# Altium PCB Qilin.PcbDoc
Units mm, origin at the board's own origin, x right, y up, seen from the top; angles counter-clockwise.
Board outline 25.13 x 22.14 mm, 4 copper layers (Top Layer, Gnd, Power, Bottom Layer), stack 0.85 mm thick; 29 components, 54 nets, 203 pads, 112 vias.
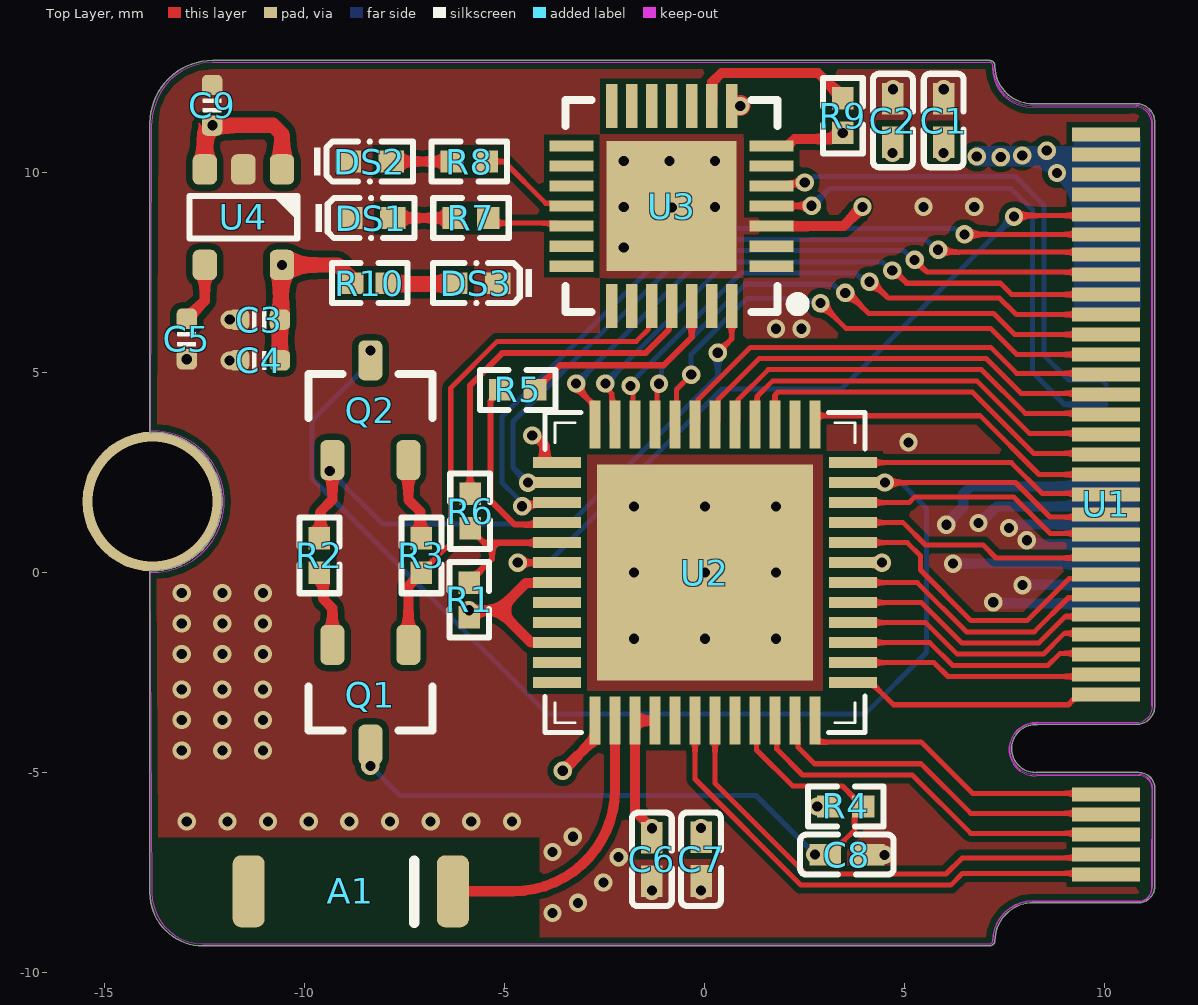
[diagram p0: Top Layer view]
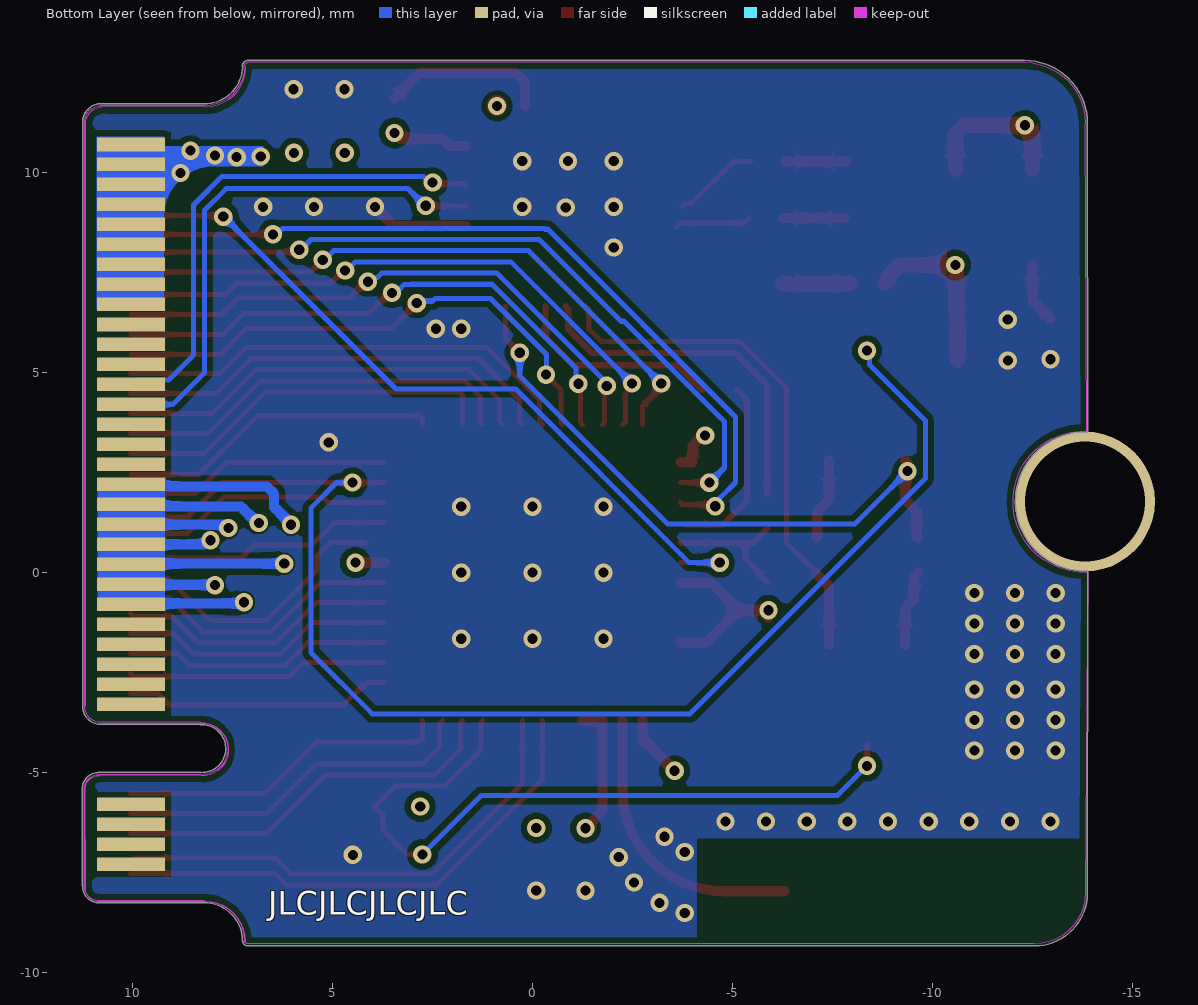
[diagram p1: Bottom Layer view, seen from below]
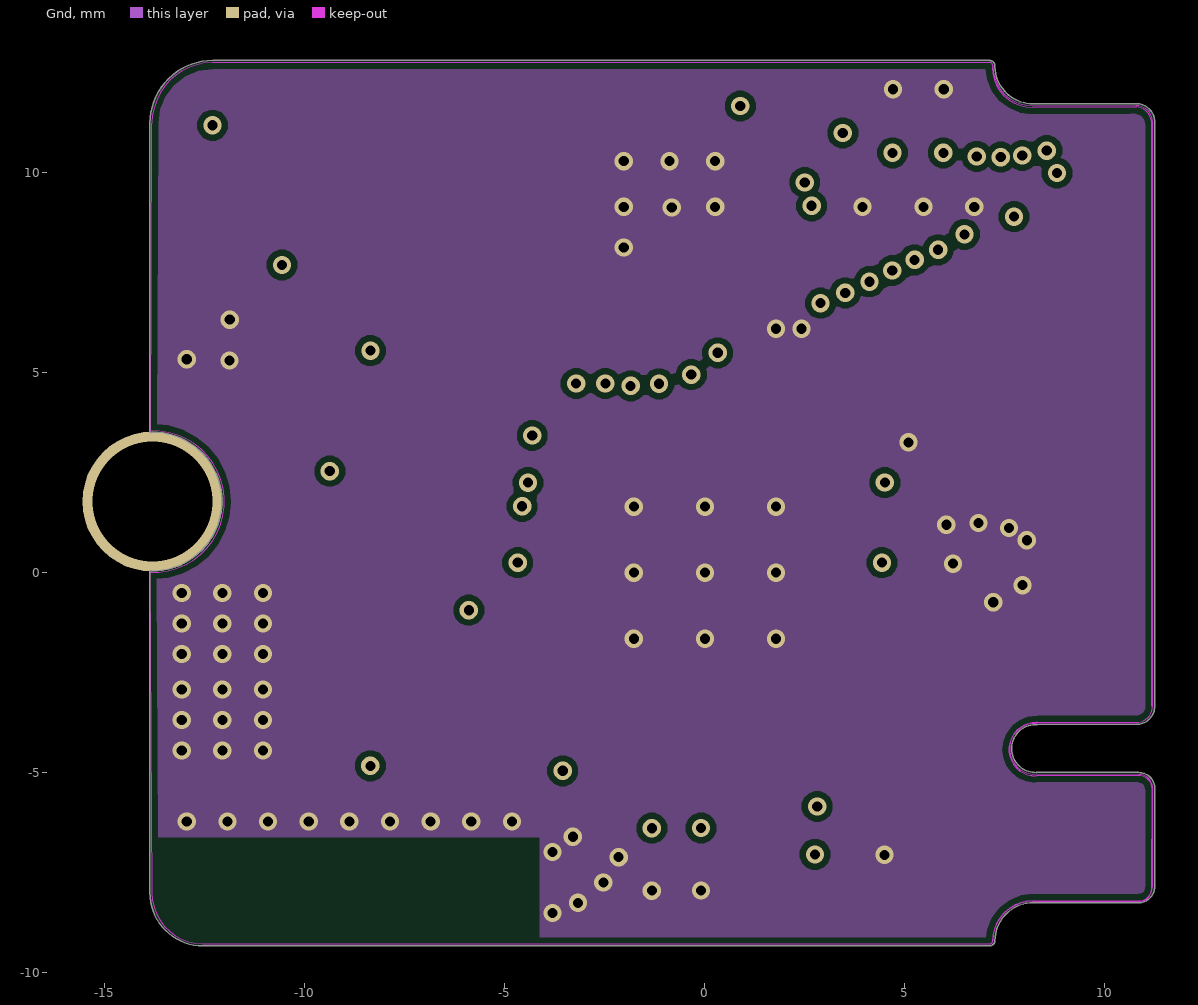
[diagram p2: Gnd]
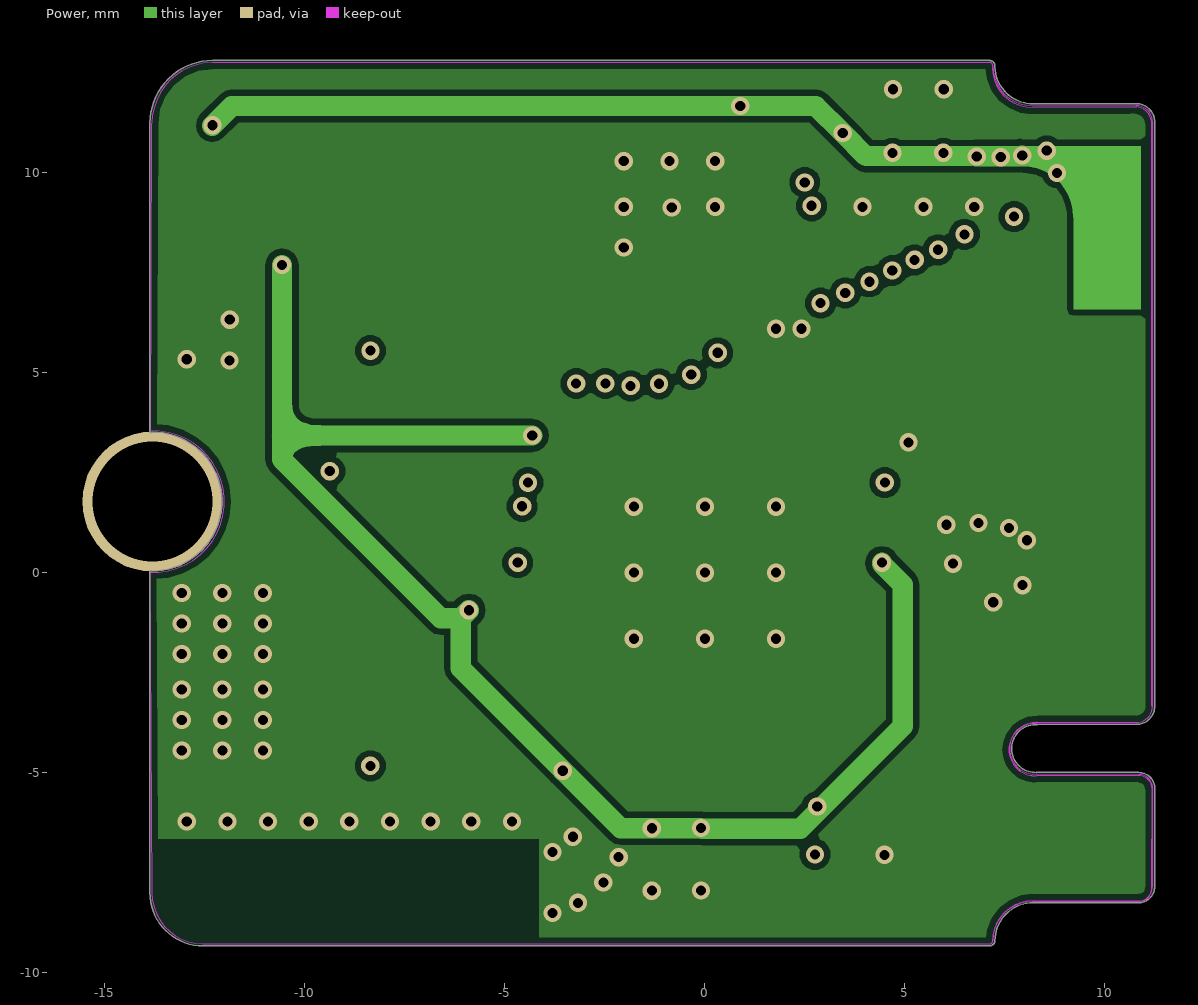
[diagram p3: Power]
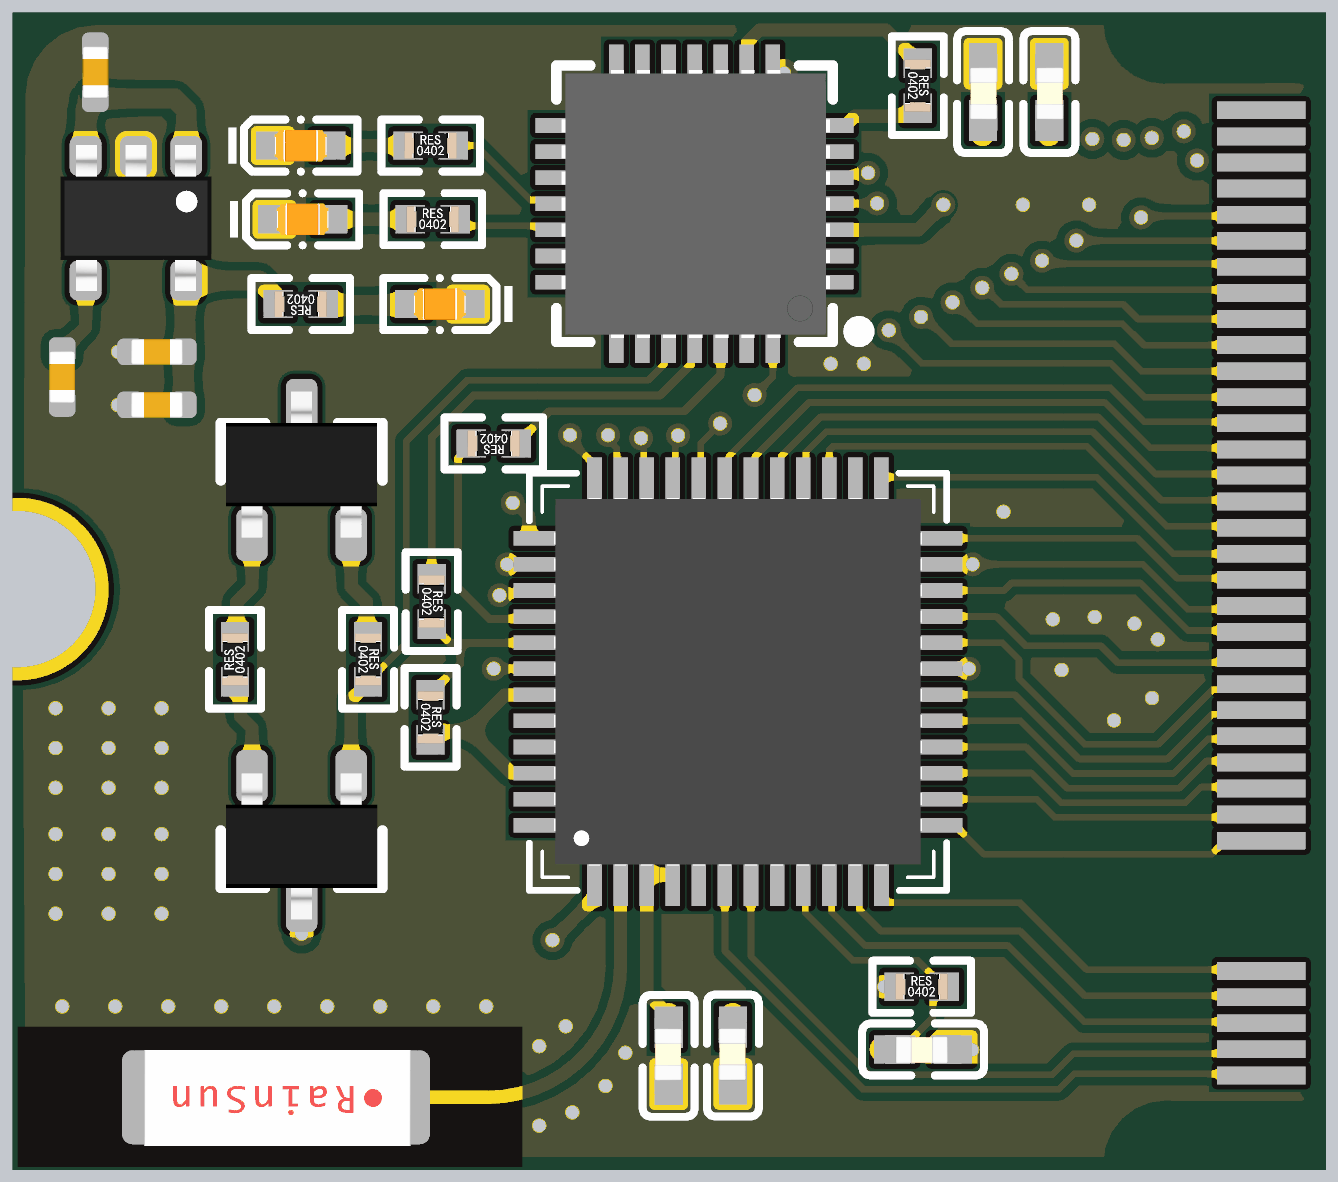
[diagram p4: 3D render of the assembled board from above, using the file's embedded part models]

## Layer stack, top to bottom
Top Solder: solder mask 0.0254, SM-002, Dk 4
Top Layer: signal copper 0.0356
Dielectric 2: prepreg 0.1543, PP-006, Dk 4.1
Gnd: signal copper 0.035
Dielectric 1: core 0.4, FR-4, Dk 4.8
Power: signal copper 0.035
Dielectric 3: prepreg 0.1543, PP-006, Dk 4.1
Bottom Layer: signal copper 0.0356
Bottom Solder: solder mask 0.0254, SM-002, Dk 4

## Board outline
-13.877,-8.005 ccw(c-12.551,-8.005) -12.551,-9.331 7.106,-9.331 ccw(c7.111,-9.193) 7.25,-9.2 ccw(c7.199,-9.197) 7.25,-9.197 ccw(c7.199,-9.197) 7.25,-9.197 cw(c7.224,-9.197) 7.25,-9.197 ccw(c7.224,-9.197) 7.25,-9.197 cw(c7.199,-9.197) 7.25,-9.197 cw(c8.2,-9.203) 8.206,-8.253 ccw(c8.206,-8.202) 8.206,-8.253 cw(c8.206,-8.227) 8.206,-8.253 ccw(c8.206,-8.202) 8.206,-8.253 cw(c8.206,-8.227) 8.206,-8.253 10.836,-8.253 ccw(c10.836,-7.846) 11.243,-7.85 ccw(c11.192,-7.823) 11.25,-7.823 11.25,-5.4 ccw(c10.846,-5.4) 10.848,-4.996 ccw(c10.846,-5.4) 10.848,-4.996 ccw(c10.847,-5.022) 10.847,-4.996 10.848,-4.996 ccw(c10.846,-5.047) 10.846,-4.996 ccw(c10.846,-5.022) 10.844,-4.996 8.299,-4.996 8.293,-4.996 ccw(c8.293,-5.022) 8.287,-4.997 cw(c8.267,-4.397) 8.296,-3.798 cw(c8.267,-4.397) 8.296,-3.798 cw(c8.297,-3.772) 8.295,-3.798 ccw(c8.299,-3.747) 8.296,-3.798 ccw(c8.299,-3.747) 8.301,-3.798 10.785,-3.796 ccw(c10.785,-3.339) 11.243,-3.339 11.243,11.268 ccw(c10.787,11.268) 10.787,11.724 ccw(c10.787,11.673) 10.778,11.723 8.197,11.723 cw(c8.197,12.675) 7.246,12.642 ccw(c7.199,12.663) 7.25,12.66 ccw(c7.111,12.667) 7.25,12.662 ccw(c7.111,12.667) 7.25,12.662 ccw(c7.111,12.667) 7.25,12.667 ccw(c7.111,12.667) 7.118,12.806 ccw(c7.117,12.78) 7.117,12.806 ccw(c7.116,12.78) 7.116,12.806 cw(c7.116,12.755) 7.118,12.806 7.116,12.806 -12.302,12.806 ccw(c-12.302,11.231) -13.877,11.231 -13.879,3.528 ccw(c-13.853,3.528) -13.831,3.516 cw(c-13.814,1.776) -12.075,1.777 cw(c-13.832,1.797) -13.83,0.04 ccw(c-13.852,0.027) -13.878,0.027

## Design rules (kind name [scope] priority, off if disabled: settings)
Clearance PAD [(ObjectKind = 'Pad') And (AsMils(X1) = -543.862) And (AsMils(Y1) = 69.941)] p1: gap=0 ignorepadtopadclearanceinfootprint=TRUE
Clearance [All] p2: gap=0.152 ignorepadtopadclearanceinfootprint=TRUE
HoleSize [All] p1: absolutevalues=TRUE maxlimit=3.048 minlimit=0.025 maxpercent=80.000 minpercent=20.000
MinimumSolderMaskSliver [All] p1: minsoldermaskwidth=0.005
PolygonConnect [All] p1: connectstyle=Direct reliefconductorwidth=0.254 reliefentries=4 polygonreliefangle="90 Angle" airgapwidth=0.254
RoutingVias [All] p1: holewidth=0.711 width=1.27 viastyle="Through Hole" minholewidth=0.2 minwidth=0.45 maxholewidth=0.711 maxwidth=1.27
SilkToSilkClearance [All] p1: silktosilkclearance=0.051
SilkToSolderMaskClearance [IsPad] p1: minsilkscreentomaskgap=0.051 clearancetoexposedcopper=TRUE
SolderMaskExpansion [All] p1: expansion=0.102 istentingtop=FALSE
UnRoutedNet [All] p1: checkbadconnections=TRUE
Width [All] p1: maxlimit=3 minlimit=0.127 preferedwidth=3 toplayer_prefwidth=0.127 midlayer1_maxwidth=0.254 midlayer1_prefwidth=0.254 bottomlayer_prefwidth=0.127 minimp=50.000000 maximp=50.000000 favimp=50.000000
25 further rules are at their usual default settings.

## Components (designator, comment, footprint, x,y, rotation, side; value= is the part's Value field where it differs from the comment)
A1 "RAINSUN" ANT-RAINSUN-AN5120 -8.844,-7.965 r180 top
C1 "4.7uF" CAP(0402) 5.969,11.303 r270 top
C2 "0.1uF" CAP(0402) 4.699,11.303 r270 top
C3 "0.1uF" CAP_0402 -11.138,6.325 r0 top value=0.1u
C4 "10uF" CAP_0402 -11.138,5.309 r0 top value=0.1u
C5 "10nF" CAP_0402 -12.954,5.842 r90 top value=0.1u
C6 "10uF" CAP(0402) -1.328,-7.169 r90 top
C7 "0.1uF" CAP(0402) -0.098,-7.165 r90 top
C8 "0.1uF" CAP(0402) 3.549,-7.048 r180 top
C9 "1uF" CAP_0402 -12.319,11.684 r270 top value=0.1u
DS1 "Oran" LED(0402) -8.345,8.865 r0 top
DS2 "Oran" LED(0402) -8.38,10.278 r0 top
DS3 "Red" LED(0402) -5.715,7.239 r180 top
Q1 "S8050" SOT23-3 -8.365,-3.052 r270 top
Q2 "S8050" SOT23-3 -8.365,4.06 r90 top
R1 "10K" RES(0402) -5.893,-0.681 r270 top value=10k/NC
R2 "10K" RES(0402) -9.64,0.43 r90 top value=10k
R3 "10K" RES(0402) -7.09,0.43 r270 top value=10k
R4 "10K" RES(0402) 3.521,-5.846 r0 top value=10k
R5 "500R" RES(0402) -4.682,4.568 r180 top value=500/1k
R6 "500R" RES(0402) -5.871,1.538 r270 top value=500/1k
R7 "100R" RES(0402) -5.85,8.866 r0 top value=100
R8 "100R" RES(0402) -5.892,10.278 r0 top value=100
R9 "10K" RES(0402) 3.446,11.426 r270 top value=10k
R10 "100R" RES(0402) -8.382,7.239 r180 top value=100
U1 "M.2 KEY-M" M.2 -4.385,-1.133 r0 top
U2 "ESP32_SIP" "QFN-48 7*7" 0,0 r0 top
U3 "CP2102N" CP2102N -0.872,9.171 r90 top
U4 "LP2992 3V3" SOT23-5 -11.54,8.886 r270 top

## Footprints (in the part's own frame and the unit in brackets; to place one, negate y for a bottom-side part, rotate by r counter-clockwise, add the part's x,y. Pads: shape width x height; smd on the part's side, far side on the other; paste and mask are expansions set on the pad)
ANT-RAINSUN-AN5120 [mm]
  rrect50% 0.8x1.8 smd: 1(-2.54,0) ""(2.563,0)
  silkscreen extent -1.57,-0.76 -1.57,0.79, body extent -2.57,-0.91 2.54,0.94, height 1.32
CAP(0402) [mm]
  rect 0.79x0.54 smd: 1(-0.545,0) 2(0.545,0)
  silkscreen extent -1.17,-0.5 1.17,0.5, body extent -0.47,-0.26 0.53,0.27, height 0.36
CAP_0402 [mil]
  rrect50% 20x20 smd mask+0: 1(-20,0) 2(20,0)
  silkscreen extent -6,-9 6,9, body extent -20,-10 20,10, height 20
CP2102N [mm] "QFN28 5*5"
  rect 0.28x1.1 smd: 1(-1.509,-2.54) 2(-1.008,-2.54) 3(-0.508,-2.54) 4(-0.008,-2.54) 5(0.493,-2.54) 6(0.993,-2.54) 7(1.494,-2.54) 15(1.494,2.46) 16(0.993,2.46) 17(0.493,2.46) 18(-0.008,2.46) 19(-0.508,2.46) 20(-1.008,2.46) 21(-1.509,2.46)
  rect 1.1x0.28 smd: 8(2.493,-1.541) 9(2.493,-1.041) 10(2.493,-0.541) 11(2.493,-0.04) 12(2.493,0.46) 13(2.493,0.961) 14(2.493,1.461) 22(-2.507,1.461) 23(-2.507,0.961) 24(-2.507,0.46) 25(-2.507,-0.04) 26(-2.507,-0.541) 27(-2.507,-1.041) 28(-2.507,-1.541)
  rect 3.25x3.25 smd: 29(-0.008,-0.04)
  silkscreen extent -2.66,-3.34 2.64,2.61, body extent -2.58,-2.63 2.56,2.51, height 0.97
LED(0402) [mm]
  rect 0.636x0.54 smd: 1(-0.538,0) 2(0.538,0)
  silkscreen extent -1.39,-0.54 1.09,0.54, body extent -0.5,-0.3 0.5,0.3, height 0.2
M.2 [mm]
  rect 1.7x0.34 smd: 1(14.416,12.087) 3(14.415,11.587) 5(14.415,11.086) 7(14.415,10.587) 9(14.415,10.086) 11(14.415,9.587) 13(14.415,9.086) 15(14.415,8.587) 17(14.415,8.086) 19(14.415,7.587) 21(14.415,7.086) 23(14.415,6.587) 25(14.415,6.086) 27(14.415,5.587) 29(14.415,5.086) 31(14.415,4.587) 33(14.415,4.086) 35(14.415,3.587) 37(14.415,3.086) 39(14.415,2.587) 41(14.415,2.086) 43(14.415,1.587) 45(14.415,1.086) 47(14.415,0.587) 49(14.415,0.086) 51(14.415,-0.413) 53(14.415,-0.914) 55(14.415,-1.413) 57(14.415,-1.914) 67(14.415,-4.413) 69(14.415,-4.914) 71(14.415,-5.413) 73(14.415,-5.914) 75(14.415,-6.413)
  rect 1.7x0.34 smd far side: 2(14.416,11.837) 4(14.415,11.338) 6(14.415,10.838) 8(14.415,10.338) 10(14.415,9.838) 12(14.415,9.338) 14(14.415,8.838) 16(14.415,8.338) 18(14.415,7.838) 20(14.415,7.336) 22(14.415,6.838) 24(14.415,6.338) 26(14.415,5.838) 28(14.415,5.338) 30(14.415,4.838) 32(14.415,4.338) 34(14.415,3.838) 36(14.415,3.338) 38(14.415,2.838) 40(14.415,2.338) 42(14.415,1.84) 44(14.415,1.338) 46(14.415,0.838) 48(14.415,0.338) 50(14.415,-0.162) 52(14.415,-0.662) 54(14.415,-1.162) 56(14.415,-1.662) 58(14.415,-2.162) 68(14.415,-4.662) 70(14.415,-5.162) 72(14.415,-5.662) 74(14.415,-6.162)
  Keep-Out Layer lines w0.025: 11.564,-8.093 cw(c12.564,-8.093) 12.564,-7.093 15.202,-7.098 ccw(c15.216,-6.758) 15.555,-6.719 ; 11.564,13.767 ccw(c12.564,13.767) 12.564,12.767 15.176,12.777 ; 11.566,-8.093 cw(c12.566,-8.093) 12.566,-7.093 ; 11.566,13.767 ccw(c12.566,13.767) 12.566,12.767 15.178,12.777 ; 12.566,-7.093 15.203,-7.097 ccw(c15.218,-6.757) 15.556,-6.718 ; 15.151,-2.641 12.664,-2.643 ccw(c12.633,-3.293) 12.664,-3.943 15.227,-3.937 ; 15.151,12.777 cw(c15.13,12.35) 15.557,12.345 ; 15.152,-2.641 12.666,-2.643 ccw(c12.634,-3.293) 12.666,-3.943 15.228,-3.936 ; 15.152,12.777 cw(c15.131,12.35) 15.559,12.345 ; 15.211,-3.943 cw(c15.226,-4.283) 15.564,-4.323 15.557,-6.731 ; 15.213,-3.943 cw(c15.227,-4.283) 15.566,-4.322 15.559,-6.73 ; 15.557,-2.209 15.557,12.396 ; 15.559,-2.209 15.559,12.396
"QFN-48 7*7" [mm] "ESP32-PICO-D4"
  rect 0.28x1.2 smd: 1(-2.75,-3.7) 2(-2.25,-3.7) 3(-1.75,-3.7) 4(-1.25,-3.7) 5(-0.75,-3.7) 6(-0.25,-3.7) 7(0.25,-3.7) 8(0.75,-3.7) 9(1.25,-3.7) 10(1.75,-3.7) 11(2.25,-3.7) 12(2.75,-3.7) 25(2.75,3.7) 26(2.25,3.7) 27(1.75,3.7) 28(1.25,3.7) 29(0.75,3.7) 30(0.25,3.7) 31(-0.25,3.7) 32(-0.75,3.7) 33(-1.25,3.7) 34(-1.75,3.7) 35(-2.25,3.7) 36(-2.75,3.7)
  rect 1.2x0.28 smd: 13(3.7,-2.75) 14(3.7,-2.25) 15(3.7,-1.75) 16(3.7,-1.25) 17(3.7,-0.75) 18(3.7,-0.25) 19(3.7,0.25) 20(3.7,0.75) 21(3.7,1.25) 22(3.7,1.75) 23(3.7,2.25) 24(3.7,2.75) 37(-3.7,2.75) 38(-3.7,2.25) 39(-3.7,1.75) 40(-3.7,1.25) 41(-3.7,0.75) 42(-3.7,0.25) 43(-3.7,-0.25) 44(-3.7,-0.75) 45(-3.7,-1.25) 46(-3.7,-1.75) 47(-3.7,-2.25) 48(-3.7,-2.75)
  rect 5.4x5.4 smd: 49(0,0)
  silkscreen extent -4,-4 4,4, body extent -3.52,-3.52 3.53,3.53, height 0.9
RES(0402) [mm]
  rect 0.566x0.54 smd: 1(-0.433,0) 2(0.433,0)
  silkscreen extent -0.94,-0.5 0.94,0.5, body extent -0.5,-0.25 0.5,0.25, height 0.35
SOT23-3 [mm]
  rrect50% 1x0.6 smd: 1(-1.246,0.95) 2(-1.246,-0.95) 3(1.246,0)
  silkscreen extent -0.2,-1.55 0.9,1.55, body extent -1.3,-1.45 1.5,1.45, height 1.2
SOT23-5 [mil]
  rrect50% 30x24 smd: 1(-47,38) 2(-47,0) 3(-47,-38) 4(47,-38) 5(47,38)
  silkscreen extent -21,-53 21,53, body extent -55,-57 55,57, height 57

## Part data
A1: library part ANT-Rainsun-AP5120
C1 C2 C6 C7 C8: library part Cap(0402), "贴片电容0402"
C3 C4 C5 C9: library part 电容-0402, "Capacitor"
DS1 DS2: library part LED_Orange
DS3: library part LED_Red
Q1 Q2: "NPN"
R1 R2 R3 R4 R5 R6 R7 R8 R9 R10: library part Res(0402), "Res(0402)"
U1: "NGFF M.2 KEY-M"
U2: library part ESP32-PICO-D4
U3: "USB转串口"
U4: library part LP2992, "LDO"

## Free pads (board coordinates)
  round 3.5 hole 3 unplated mask+0.102: ""(-13.814,1.776)

## Via types
v1: diameter 0.457, hole 0.254, Top Layer to Bottom Layer, tented both sides, 112 vias

## Nets (pads, with @x,y where several pads share a name; then routed paths per layer and width w, separated by ;. In a path a pad name is that pad's centre, name@x,y a point inside that pad or via, vN(x,y) a via of type N, cw(c..) or ccw(c..) an arc to the next point about the centre after c; other vN are vias at no path point)
DTR: Q2.1 R2.2 U3.28 | length 15.8
  Top Layer w0.127: v1@0.342,5.497 0.342,5.521 0.669,5.848 U3.28
  Top Layer w0.254: R2.2 -9.61,0.893 -9.61,1.527 -9.315,1.822 Q2.1@-9.315,2.536 ; v1(-9.379,2.537) -9.379,2.75 Q2.1 ; v1(0.318,5.497) v1@0.342,5.497
  Bottom Layer w0.127: v1(-9.379,2.537) -9.379,2.534 -8.058,1.214 -3.384,1.214 -0.502,4.095 0.318,4.915 v1(0.318,5.497)
EN: C8.2 Q1.3 R4.2 U2.9 | length 18.5
  Top Layer w0.127: v1(-8.365,-4.83) Q1.3 ; U2.9 1.287,-3.737 1.287,-4.431 2.192,-5.336 3.436,-5.336 3.735,-5.634 3.735,-5.639 R4.2@3.941,-5.846 ; v1(2.751,-7.044) 3.124,-7.044 3.129,-7.048 3.483,-6.694 3.483,-6.689 3.61,-6.562 3.615,-6.562 3.735,-6.443 3.735,-6.052 R4.2@3.941,-5.846 ; R4.2 R4.2@3.941,-5.846
  Bottom Layer w0.127: v1(-8.365,-4.83) -7.624,-5.571 1.278,-5.571 v1(2.751,-7.044)
ESP_RXD: R5.2 U2.40 | length 4.7
  Top Layer w0.152: R5.2 -5.128,4.568 -5.321,4.374 -5.321,4.33 -5.367,4.285 -5.367,1.808 -4.76,1.201 U2.40@-3.831,1.201
ESP_TXD: R1.1 R6.2 U2.41 | length 3.6
  Top Layer w0.152: R1.1 -5.699,-0.054 -5.699,-0.03 -5.324,0.345 -5.324,0.75 ; R6.2@-5.871,1.093 -5.524,0.746 -5.324,0.746 -3.704,0.746 U2.41
FLASH_CLK: U1.25 U2.31 | length 11.7
  Top Layer w0.127: U2.31 -0.173,3.777 -0.173,4.322 -0.106,4.389 1.138,5.634 7.145,5.634 7.795,4.983 U1.25@10.05,4.983
FLASH_CS: U1.35 U2.25 | length 8.1
  Top Layer w0.127: U2.25 2.75,3.847 2.827,3.923 6.879,3.923 8.348,2.454 U1.35
FLASH_SD0: U1.33 U2.27 | length 9.7
  Top Layer w0.127: U2.27 1.75,4.442 1.825,4.516 6.682,4.516 8.215,2.983 U1.33@10.05,2.983
FLASH_SD1: U1.21 U2.33 | length 14
  Top Layer w0.127: U2.33 -1.2,3.75 -1.2,4.672 v1(-1.149,4.722) ; v1(3.508,6.994) 3.581,6.994 4.096,6.479 7.217,6.479 7.742,5.954 U1.21
  Bottom Layer w0.127: v1(-1.149,4.722) -1.086,4.785 -1.086,5.116 1.008,7.21 3.025,7.21 3.027,7.208 3.203,7.208 3.293,7.118 3.295,7.118 3.39,7.023 v1@3.528,7.023
FLASH_SD2: U1.27 U2.30 | length 11.2
  Top Layer w0.127: U2.30 0.327,3.776 0.327,4.322 1.359,5.354 7.029,5.354 7.9,4.483 U1.27@10.05,4.483
FLASH_SD3: U1.23 U2.32 | length 13.5
  Top Layer w0.127: U2.32 -0.712,3.738 -0.712,4.58 v1(-0.342,4.95) ; v1(2.891,6.737) 2.892,6.737 3.521,6.108 7.14,6.108 7.794,5.454 U1.23
  Bottom Layer w0.127: v1(-0.342,4.95) -0.351,4.959 -0.351,5.457 1.047,6.854 2.428,6.854 2.491,6.791 2.886,6.791 v1@2.91,6.766
GND: C1.1 C2.1 C3.1 C4.1 C5.1 C6.1 C7.1 C8.1 C9.1 DS1.1 DS2.1 DS3.1 U1.36 U1.38 U1.40 U1.42 U1.44 U1.46 U1.48 U2.49 U3.3 U3.29 U4.2 | length 23.8
  Top Layer w0.127: v1(-0.832,9.126) U3.29
  Top Layer w0.254: U3.3 3.456,8.663 v1(3.937,9.144)
  Bottom Layer w0.254: v1(6.035,1.197) 6.035,1.216 6.456,1.638 6.456,1.97 6.64,2.155 9.98,2.155 U1.36 ; v1(6.203,0.225) 10.01,0.225 U1.44 ; v1(6.838,1.241) 6.873,1.241 7.287,1.655 9.98,1.655 U1.38 ; v1(7.208,-0.741) 7.235,-0.768 10.003,-0.768 U1.48 ; v1(7.6,1.114) 7.655,1.114 7.741,1.2 10.024,1.2 U1.40 ; v1(7.937,-0.312) 7.946,-0.303 9.894,-0.303 9.903,-0.312 9.927,-0.312 9.987,-0.251 U1.46 ; v1(8.046,0.811) 8.101,0.811 8.205,0.707 U1.42
  other v1: -3.81,-8.509 -3.175,-8.255 -1.328,-7.949 -0.098,-7.945 -2.54,-7.747 -2.159,-7.112 4.488,-7.055 -3.81,-6.985 -3.302,-6.604 -12.954,-6.223 -11.938,-6.223 -10.922,-6.223 -9.906,-6.223 -8.89,-6.223 -7.874,-6.223 -6.858,-6.223 -5.842,-6.223 -4.826,-6.223 -13.081,-4.445 -12.065,-4.445 -11.049,-4.445 -13.081,-3.683 -12.065,-3.683 -11.049,-3.683 -13.081,-2.921 -12.065,-2.921 -11.049,-2.921 -13.081,-2.032 -12.065,-2.032 -11.049,-2.032 -1.778,-1.651 0,-1.651 1.778,-1.651 -13.081,-1.27 -12.065,-1.27 -11.049,-1.27 -13.081,-0.508 -12.065,-0.508 -11.049,-0.508 -1.778,0 0,0 1.778,0 -1.778,1.651 0,1.651 1.778,1.651 5.09,3.257 -11.887,5.303 -12.954,5.334 1.778,6.096 2.413,6.096 -11.882,6.325 -2.032,8.128 -2.032,9.144 0.254,9.144 5.461,9.144 6.731,9.144 -2.032,10.287 -0.889,10.287 0.254,10.287 4.699,12.083 5.969,12.083
IO0: Q2.3 U1.39 U2.23 | length 33.9
  Top Layer w0.127: U2.23@3.701,2.251 v1@4.496,2.251 ; v1@4.492,2.251 4.497,2.246 4.502,2.251 7.761,2.251 8.623,1.389 9.965,1.389 U1.39
  Bottom Layer w0.127: v1(-8.363,5.549) -8.426,5.486 -8.426,5.199 -9.824,3.802 -9.824,2.353 -3.94,-3.531 4.004,-3.531 5.538,-1.996 5.538,1.61 4.897,2.251 v1(4.497,2.251)
IO2: U1.41 U2.22 | length 6.8
  Top Layer w0.127: U2.22 5.101,1.75 5.246,1.895 7.713,1.895 8.625,0.983 U1.41@10.05,0.983
IO4: U1.37 U2.24 | length 6.7
  Top Layer w0.127: U2.24 7.657,2.75 8.425,1.983 U1.37@10.05,1.983
IO5: U1.19 U2.34 | length 14.5
  Top Layer w0.127: v1(-1.858,4.669) -1.804,4.615 -1.804,3.754 U2.34 ; v1(4.113,7.273) 4.172,7.273 4.584,6.862 7.364,6.862 7.551,6.675 7.563,6.675 7.783,6.454 U1.19
  Bottom Layer w0.127: v1(-1.858,4.669) -1.858,4.74 0.892,7.49 3.14,7.49 3.143,7.487 3.769,7.487 3.878,7.377 3.919,7.377 3.995,7.302 v1@4.133,7.302
IO9: U1.31 U2.28 | length 10.2
  Top Layer w0.127: U2.28 1.303,3.753 1.303,4.403 1.695,4.795 6.797,4.795 8.11,3.483 U1.31@10.05,3.483
IO10: U1.29 U2.29 | length 10.6
  Top Layer w0.127: U2.29 0.827,3.777 0.827,4.322 1.58,5.075 6.913,5.075 8.005,3.983 U1.29@10.05,3.983
IO12: U1.47 U2.18 | length 7.3
  Top Layer w0.127: U2.18 5.308,-0.25 6.538,-1.479 8.231,-1.479 9.087,-0.624 9.944,-0.624 U1.47@10.05,-0.517
IO13: U1.45 U2.20 | length 7.4
  Top Layer w0.127: U2.20@4.164,0.746 4.168,0.75 5.059,0.75 5.386,0.423 5.386,0.067 6.653,-1.2 8.051,-1.2 9.1,-0.151 9.916,-0.151 U1.45@10.05,-0.017
IO14: U1.49 U2.17 | length 7.1
  Top Layer w0.127: U2.17 5.413,-0.75 6.422,-1.759 8.347,-1.759 9.01,-1.096 9.971,-1.096 U1.49@10.05,-1.017
IO15: U1.43 U2.21 | length 6.7
  Top Layer w0.127: U2.21 4.954,1.25 5.516,0.688 6.955,0.688 7.275,0.368 7.861,0.368 7.862,0.367 9.943,0.367 U1.43
IO18: U1.17 U2.35 | length 15.3
  Top Layer w0.127: v1(-2.49,4.728) -2.49,4.639 -2.326,4.475 -2.326,3.777 U2.35 ; v1(4.681,7.553) 4.727,7.553 5.045,7.235 7.386,7.235 7.667,6.954 U1.17
  Bottom Layer w0.127: v1(-2.49,4.728) -2.49,4.737 0.543,7.769 4.424,7.769 4.611,7.581 v1@4.701,7.581
IO19: U1.13 U2.38 | length 19.2
  Top Layer w0.127: v1(-4.425,2.25) U2.38 ; v1(5.829,8.072) 5.888,8.013 U1.13@9.971,8.013
  Bottom Layer w0.127: v1(-4.425,2.25) -4.799,2.624 -4.799,3.778 -2.293,6.284 -2.217,6.284 -0.173,8.328 5.532,8.328 5.759,8.1 v1@5.849,8.1
IO21: U1.9 U2.42 | length 19.3
  Top Layer w0.127: v1(-4.682,0.25) U2.42 ; v1(7.727,8.901) 7.753,8.927 U1.9@10.004,8.927
  Bottom Layer w0.127: v1(-4.682,0.25) -3.922,0.25 0.417,4.59 3.407,4.59 v1@7.747,8.93
IO22: U1.11 U2.39 | length 20.5
  Top Layer w0.127: v1(-4.571,1.658) -4.525,1.704 -3.746,1.704 U2.39 ; v1(6.486,8.457) 6.488,8.456 U1.11@10.029,8.456
  Bottom Layer w0.127: v1(-4.571,1.658) -4.571,1.748 -4.695,1.872 -5.078,2.255 -5.078,3.894 -0.387,8.585 -0.312,8.585 -0.289,8.607 5.714,8.607 5.717,8.605 6.25,8.605 6.368,8.486 v1@6.506,8.486
IO23: U1.15 U2.36 | length 16
  Top Layer w0.127: v1(-3.22,4.728) -3.157,4.665 -3.157,4.567 -2.75,4.16 U2.36 ; v1(5.241,7.82) 5.547,7.515 9.926,7.515 U1.15@9.948,7.537
  Bottom Layer w0.127: v1(-3.22,4.728) 0.1,8.049 4.972,8.049 5.171,7.849 v1@5.261,7.849
IO25: U1.55 U2.14 | length 6.5
  Top Layer w0.127: U2.14 5.727,-2.25 6.075,-2.597 9.97,-2.597 U1.55@10.05,-2.517
IO26: U1.53 U2.15 | length 6.7
  Top Layer w0.127: U2.15 5.623,-1.75 6.19,-2.318 8.579,-2.318 8.879,-2.017 U1.53@10.05,-2.017
IO27: U1.51 U2.16 | length 6.9
  Top Layer w0.127: U2.16 5.518,-1.25 6.306,-2.038 8.463,-2.038 8.984,-1.517 U1.51@10.05,-1.517
IO32: U1.67 U2.12 | length 8.3
  Top Layer w0.127: U2.12 2.75,-4.16 2.827,-4.236 5.405,-4.236 6.685,-5.517 U1.67@10.05,-5.517
IO33: U1.57 U2.13 | length 6.7
  Top Layer w0.127: U2.13 4.16,-2.75 4.714,-3.303 9.084,-3.303 9.37,-3.017 U1.57@10.05,-3.017
IO34: U1.71 U2.10 | length 9.9
  Top Layer w0.127: U2.10 1.794,-3.744 1.794,-4.411 2.439,-5.056 5.182,-5.056 6.643,-6.517 U1.71@10.05,-6.517
IO35: U1.69 U2.11 | length 9.1
  Top Layer w0.127: U2.11 2.327,-3.777 2.327,-4.365 2.739,-4.777 5.402,-4.777 6.643,-6.017 U1.69@10.05,-6.017
IO37: U1.75 U2.6 | length 13
  Top Layer w0.127: U2.6 -0.25,-5.16 2.404,-7.814 6.142,-7.814 6.438,-7.517 U1.75@10.05,-7.517
IO38: U1.73 U2.7 | length 12.4
  Top Layer w0.127: U2.7 0.25,-5.265 2.519,-7.534 6.026,-7.534 6.429,-7.131 U1.73@9.936,-7.131
NetA1_1: A1.1 U2.2 | length 7.2
  Top Layer w0.254: A1.1 -4.79,-7.965 ccw(c-4.79,-5.425) -2.25,-5.425 U2.2
NetC5_2: C5.2 U4.4 | length 1.5
  Top Layer w0.254: C5.2 -12.505,6.799 U4.4
NetDS1_2: DS1.2 R7.1 | length 1.5
  Top Layer w0.254: DS1.2 R7.1
NetDS2_2: DS2.2 R8.1 | length 1.5
  Top Layer w0.254: DS2.2 R8.1
NetDS3_2: DS3.2 R10.1 | length 1.7
  Top Layer w0.381: R10.1 -7.929,7.219 -6.274,7.219 DS3.2
NetQ1_2: Q1.2 R2.1 | length 1.9
  Top Layer w0.254: R2.1 -9.536,-0.107 -9.536,-0.667 -9.315,-0.888 Q1.2
NetQ2_2: Q2.2 R3.1 | length 2.1
  Top Layer w0.254: Q2.2 -7.415,1.822 -7.12,1.527 -7.12,0.893 R3.1
NetR9_1: R9.1 U3.9 | length 4.2
  Top Layer w0.254: U3.9 0.182,11.676 0.182,12.261 0.414,12.493 2.825,12.493 3.446,11.872 R9.1
RTS: Q1.1 R3.2 U3.24 | length 13
  Top Layer w0.127: R3.2 -7.09,0.01 -6.736,0.364 -6.73,0.364 -6.356,0.738 -6.356,4.616 -5.19,5.782 -1.718,5.782 -1.409,6.092 -1.409,6.587 U3.24
  Top Layer w0.254: Q1.1 -7.415,-0.341 -7.09,-0.016 R3.2
RXD: R6.1 U3.25 | length 8.9
  Top Layer w0.152: R6.1 -5.871,4.688 -5.069,5.49 -1.492,5.49 -0.896,6.086 -0.896,6.599 U3.25
RXT: R8.2 U3.18 | length 2.2
  Top Layer w0.127: R8.2 -5.025,10.278 -3.98,9.233 -3.809,9.233 U3.18@-3.74,9.164
SENSOR_VN/NC: U2.8
SENSOR_VP/NC: U2.5
TXD: R5.1 U3.26 | length 5.2
  Top Layer w0.152: R5.1 -4.236,4.568 -3.619,5.185 -1.031,5.185 -0.331,5.885 U3.26
TXT: R7.2 U3.19 | length 1.9
  Top Layer w0.127: R7.2 -5.29,8.739 -3.698,8.739 U3.19@-3.594,8.635
USB_DM: U1.28 U3.4 | length 13.2
  Top Layer w0.127: U3.4 1.673,9.168 2.664,9.168 v1(2.667,9.171)
  Bottom Layer w0.127: v1(2.667,9.171) 2.682,9.171 3.112,9.601 7.656,9.601 8.193,9.063 8.193,5.002 8.99,4.205 U1.28
USB_DP: U1.26 U3.5 | length 12.8
  Top Layer w0.127: U3.5 1.728,9.724 2.454,9.724 v1@2.514,9.784
  Bottom Layer w0.127: v1(2.494,9.755) 2.584,9.755 2.729,9.901 6.746,9.901 7.764,9.901 8.472,9.192 8.472,5.438 9.098,4.812 9.924,4.812 U1.26
VCC_3V3: C3.2 C4.2 C6.2 C7.2 R1.2 R4.1 R10.2 U2.1 U2.3 U2.4 U2.19 U2.37 U2.43 U2.46 U4.5 | length 52.6
  Top Layer w0.254: R1.2 -5.903,-1.104 v1(-5.903,-0.939) -5.153,-0.939 ; v1(-4.318,3.429) -4.256,3.429 -4.186,3.359 -4.014,3.186 -3.998,2.75 U2.37 ; U2.46 -4.342,-1.75 -5.153,-0.939 ; U2.43 -3.706,-0.256 -4.469,-0.256 -5.153,-0.939 ; v1(-3.556,-4.953) -2.75,-4.147 U2.1 ; v1(-1.328,-6.389) -1.438,-6.389 -1.471,-6.356 -1.471,-6.246 -1.75,-5.968 U2.3 U2.4 ; U2.19 v1(4.425,0.25)
  Top Layer w0.381: C4.2 C3.2 -10.602,6.352 -10.602,7.665 v1(-10.575,7.692) -10.46,7.692 -9.179,7.692 -8.907,7.42 -8.907,7.319 -8.828,7.239 R10.2
  Power w0.508: v1(-10.575,7.692) -10.575,3.429 ; v1(-5.903,-0.939) -6.103,-1.139 ; v1(-4.318,3.429) -10.575,3.429 ; v1(-3.556,-4.953) -3.539,-4.953 -2.103,-6.389 v1(-1.328,-6.389) -0.102,-6.389 v1(-0.098,-6.385) -0.082,-6.401 2.379,-6.401 4.941,-3.838 4.941,-0.298 4.425,0.219 v1(4.425,0.25) ; v1@-3.538,-4.953 -6.103,-2.388 -6.103,-1.139 ; -10.575,3.429 -10.575,2.832 -6.604,-1.139 -6.103,-1.139
  other v1: 2.806,-5.846
VCC_5V: C1.2 C2.2 C9.2 R9.2 U1.2 U1.4 U1.6 U1.8 U1.10 U1.12 U1.14 U1.16 U1.18 U3.7 U3.8 U4.1 U4.3 | length 26.8
  Top Layer w0.254: U3.7 2.078,10.664 2.091,10.677 2.091,10.694 2.24,10.842 3.303,10.842 3.446,10.985 v1(3.446,10.993)
  Top Layer w0.381: U4.3 -12.505,10.99 v1(-12.311,11.184) -10.798,11.184 -10.575,10.961 U4.1
  Top Layer w0.508: v1(0.883,11.664) 0.889,11.67 v1@0.889,11.684
  Power w0.508: v1@-12.319,11.176 -11.831,11.664 v1(0.883,11.664) 2.775,11.664 v1(3.446,10.993) 4.025,10.414 v1@6.784,10.414 ; v1(6.793,10.406) v1@6.784,10.414 ; v1(7.934,10.427) cw(c7.903,10.458) 7.903,10.414 v1@6.784,10.414
  other v1: 8.799,9.992 7.394,10.387 4.69,10.495 5.96,10.495 8.546,10.551
pads on no net: A1. U1.1 U1.3 U1.5 U1.7 U1.20 U1.22 U1.24 U1.30 U1.32 U1.34 U1.50 U1.52 U1.54 U1.56 U1.58 U1.68 U1.70 U1.72 U1.74 U2.26 U2.44 U2.45 U2.47 U2.48 U3.1 U3.2 U3.6 U3.10 U3.11 U3.12 U3.13 U3.14 U3.15 U3.16 U3.17 U3.20 U3.21 U3.22 U3.23 U3.27

## Polygon pours and split planes (outlines as drawn)
GND on Gnd "GND_L02_P000" (solid, remove dead copper, pour order 0): -13.782,12.823 11.237,12.832 11.242,-9.271 -13.782,-9.271
GND on Top Layer "GND_L01_P001" (solid, remove dead copper, pour order 1): -13.782,12.823 11.237,12.832 11.242,-9.271 -13.782,-9.271
GND on Bottom Layer "GND_L04_P003" (solid, remove dead copper, pour order 3): -13.782,12.823 11.237,12.832 11.242,-9.271 -13.782,-9.271
GND on Power "GND_L03_P005" (solid, remove dead copper, pour order 5): -13.888,12.675 11.131,12.684 11.136,-9.419 -13.888,-9.419

## Keep-outs
Keep-Out Layer:
  lines w0.025: 8.299,-5.047 10.846,-5.047 ; 8.299,-3.747 ccw(c8.267,-4.397) 8.3,-5.047 ; 8.3,-3.747 cw(c8.302,-3.747) 8.302,-3.745 10.785,-3.745 ccw(c10.785,-3.339) 11.192,-3.339 11.192,-3.313 11.192,11.268 ccw(c10.787,11.268) 10.787,11.673 8.197,11.672 cw(c8.197,12.675) 7.194,12.675 7.199,12.663 ccw(c7.111,12.667) 7.116,12.755 -12.302,12.755 ccw(c-12.302,11.231) -13.826,11.231 -13.826,11.172 -13.86,3.542 cw(c-13.782,1.776) -13.878,0.011 -13.826,-8.005 ccw(c-12.551,-8.005) -12.551,-9.28 7.107,-9.28 ccw(c7.111,-9.193) 7.199,-9.197 cw(c8.2,-9.203) 8.206,-8.202 10.836,-8.202 ccw(c10.836,-7.846) 11.192,-7.846 11.192,-7.83 ccw(c11.192,-7.823) 11.199,-7.823 11.199,-5.4 ccw(c10.846,-5.4) 10.846,-5.047 ; 10.846,-5.047 ccw(c10.846,-5.047) 10.846,-5.047

## Other copper
Top Layer:
  pour cut-out: -13.805,-9.252 -13.805,-6.611 -4.13,-6.611 -4.13,-9.252
Gnd:
  pour cut-out: -13.808,-9.299 -13.808,-6.611 -4.133,-6.611 -4.133,-9.299
Power:
  region net VCC_5V: 6.731,10.161 6.731,10.666 10.893,10.666 cw(c10.893,10.665) 10.894,10.665 10.894,6.582 9.214,6.582 9.214,8.89 9.213,8.891 ccw(c7.943,8.891) 7.943,10.161
  pour cut-out: -13.813,-9.292 -13.813,-6.651 -4.138,-6.651 -4.138,-9.292
Bottom Layer:
  region net VCC_5V: 10.895,6.582 10.895,10.907 9.213,10.907 9.213,6.582
  region net GND: 10.869,-0.916 10.869,2.346 9.188,2.346 9.188,-0.916
  region net VCC_5V: 6.731,10.161 6.731,10.666 10.893,10.666 cw(c10.893,10.665) 10.894,10.665 10.894,6.582 9.214,6.582 9.214,8.89 9.213,8.891 ccw(c7.943,8.891) 7.943,10.161
  pour cut-out: -13.789,-9.277 -13.789,-6.635 -4.114,-6.635 -4.114,-9.277

## Silkscreen, mask and mechanical layers (free items; w line width, h text height)
Bottom Overlay:
  text "JLCJLCJLCJLC" at 6.603,-8.754 h1
Top Solder:
  region: -4.133,-9.299 -4.133,-6.611 -13.808,-6.611 -13.808,-9.299
Bottom Solder:
  region: -4.13,-9.252 -4.13,-6.611 -13.805,-6.611 -13.805,-9.252
Mechanical 1:
  lines w0.025: -13.853,3.528 cw(c-13.814,1.776) -12.062,1.776 cw(c-13.832,1.797) -13.852,0.027
  lines w0.051: -13.853,3.528 -13.851,11.231 cw(c-12.302,11.231) -12.302,12.78 7.116,12.78 cw(c7.116,12.755) 7.117,12.78 cw(c7.111,12.667) 7.224,12.667 cw(c7.111,12.667) 7.224,12.663 ; -13.852,0.027 -13.851,-8.005 ccw(c-12.551,-8.005) -12.551,-9.305 7.106,-9.305 ccw(c7.111,-9.193) 7.224,-9.198 ccw(c7.199,-9.197) 7.224,-9.197 ; 7.224,-9.197 ccw(c7.199,-9.197) 7.224,-9.197 ; 7.224,-9.197 cw(c8.2,-9.203) 8.206,-8.227 ; 7.224,12.663 cw(c7.111,12.667) 7.224,12.662 cw(c7.199,12.663) 7.22,12.649 ccw(c8.197,12.675) 8.197,11.697 10.781,11.697 ; 7.224,12.663 ccw(c7.111,12.667) 7.224,12.663 ; 8.206,-8.227 ccw(c8.206,-8.202) 8.206,-8.227 ; 8.206,-8.227 ccw(c8.206,-8.202) 8.206,-8.227 ; 8.206,-8.227 10.836,-8.227 ccw(c10.836,-7.846) 11.217,-7.846 11.217,-7.843 ccw(c11.192,-7.823) 11.224,-7.823 11.224,-5.4 ccw(c10.846,-5.4) 10.847,-5.022 ; 8.293,-5.022 cw(c8.299,-5.047) 8.299,-5.022 ccw(c8.299,-5.047) 8.293,-5.022 ; 8.293,-5.022 cw(c8.267,-4.397) 8.297,-3.772 ; 8.293,-5.022 10.847,-5.022 ; 8.297,-3.772 ccw(c8.267,-4.397) 8.297,-3.772 ; 8.297,-3.772 ccw(c8.299,-3.747) 8.308,-3.77 cw(c8.299,-3.747) 8.297,-3.772 ; 8.297,-3.772 10.785,-3.77 ccw(c10.785,-3.339) 11.217,-3.339 11.217,11.268 ccw(c10.787,11.268) 10.787,11.698 ; 10.781,11.697 cw(c10.787,11.673) 10.787,11.698 ; 10.781,11.697 cw(c10.787,11.673) 10.787,11.698 ; 10.847,-5.022 ccw(c10.846,-5.047) 10.846,-5.022 cw(c10.846,-5.047) 10.847,-5.022